# Altium PCB MB1605.PcbDoc (part 3 of 11)
Units mm, origin at the board's own origin, x right, y up, seen from the top; angles counter-clockwise.
Board outline 100 x 79.6 mm, 6 copper layers (Top Layer, Signal Layer 1, Signal Layer 2, Signal Layer 3, Signal Layer 4, Bottom Layer), stack 1.549 mm thick; 644 components, 529 nets, 2853 pads, 1462 vias.
Unrouted connection lines stored in the file: 2.
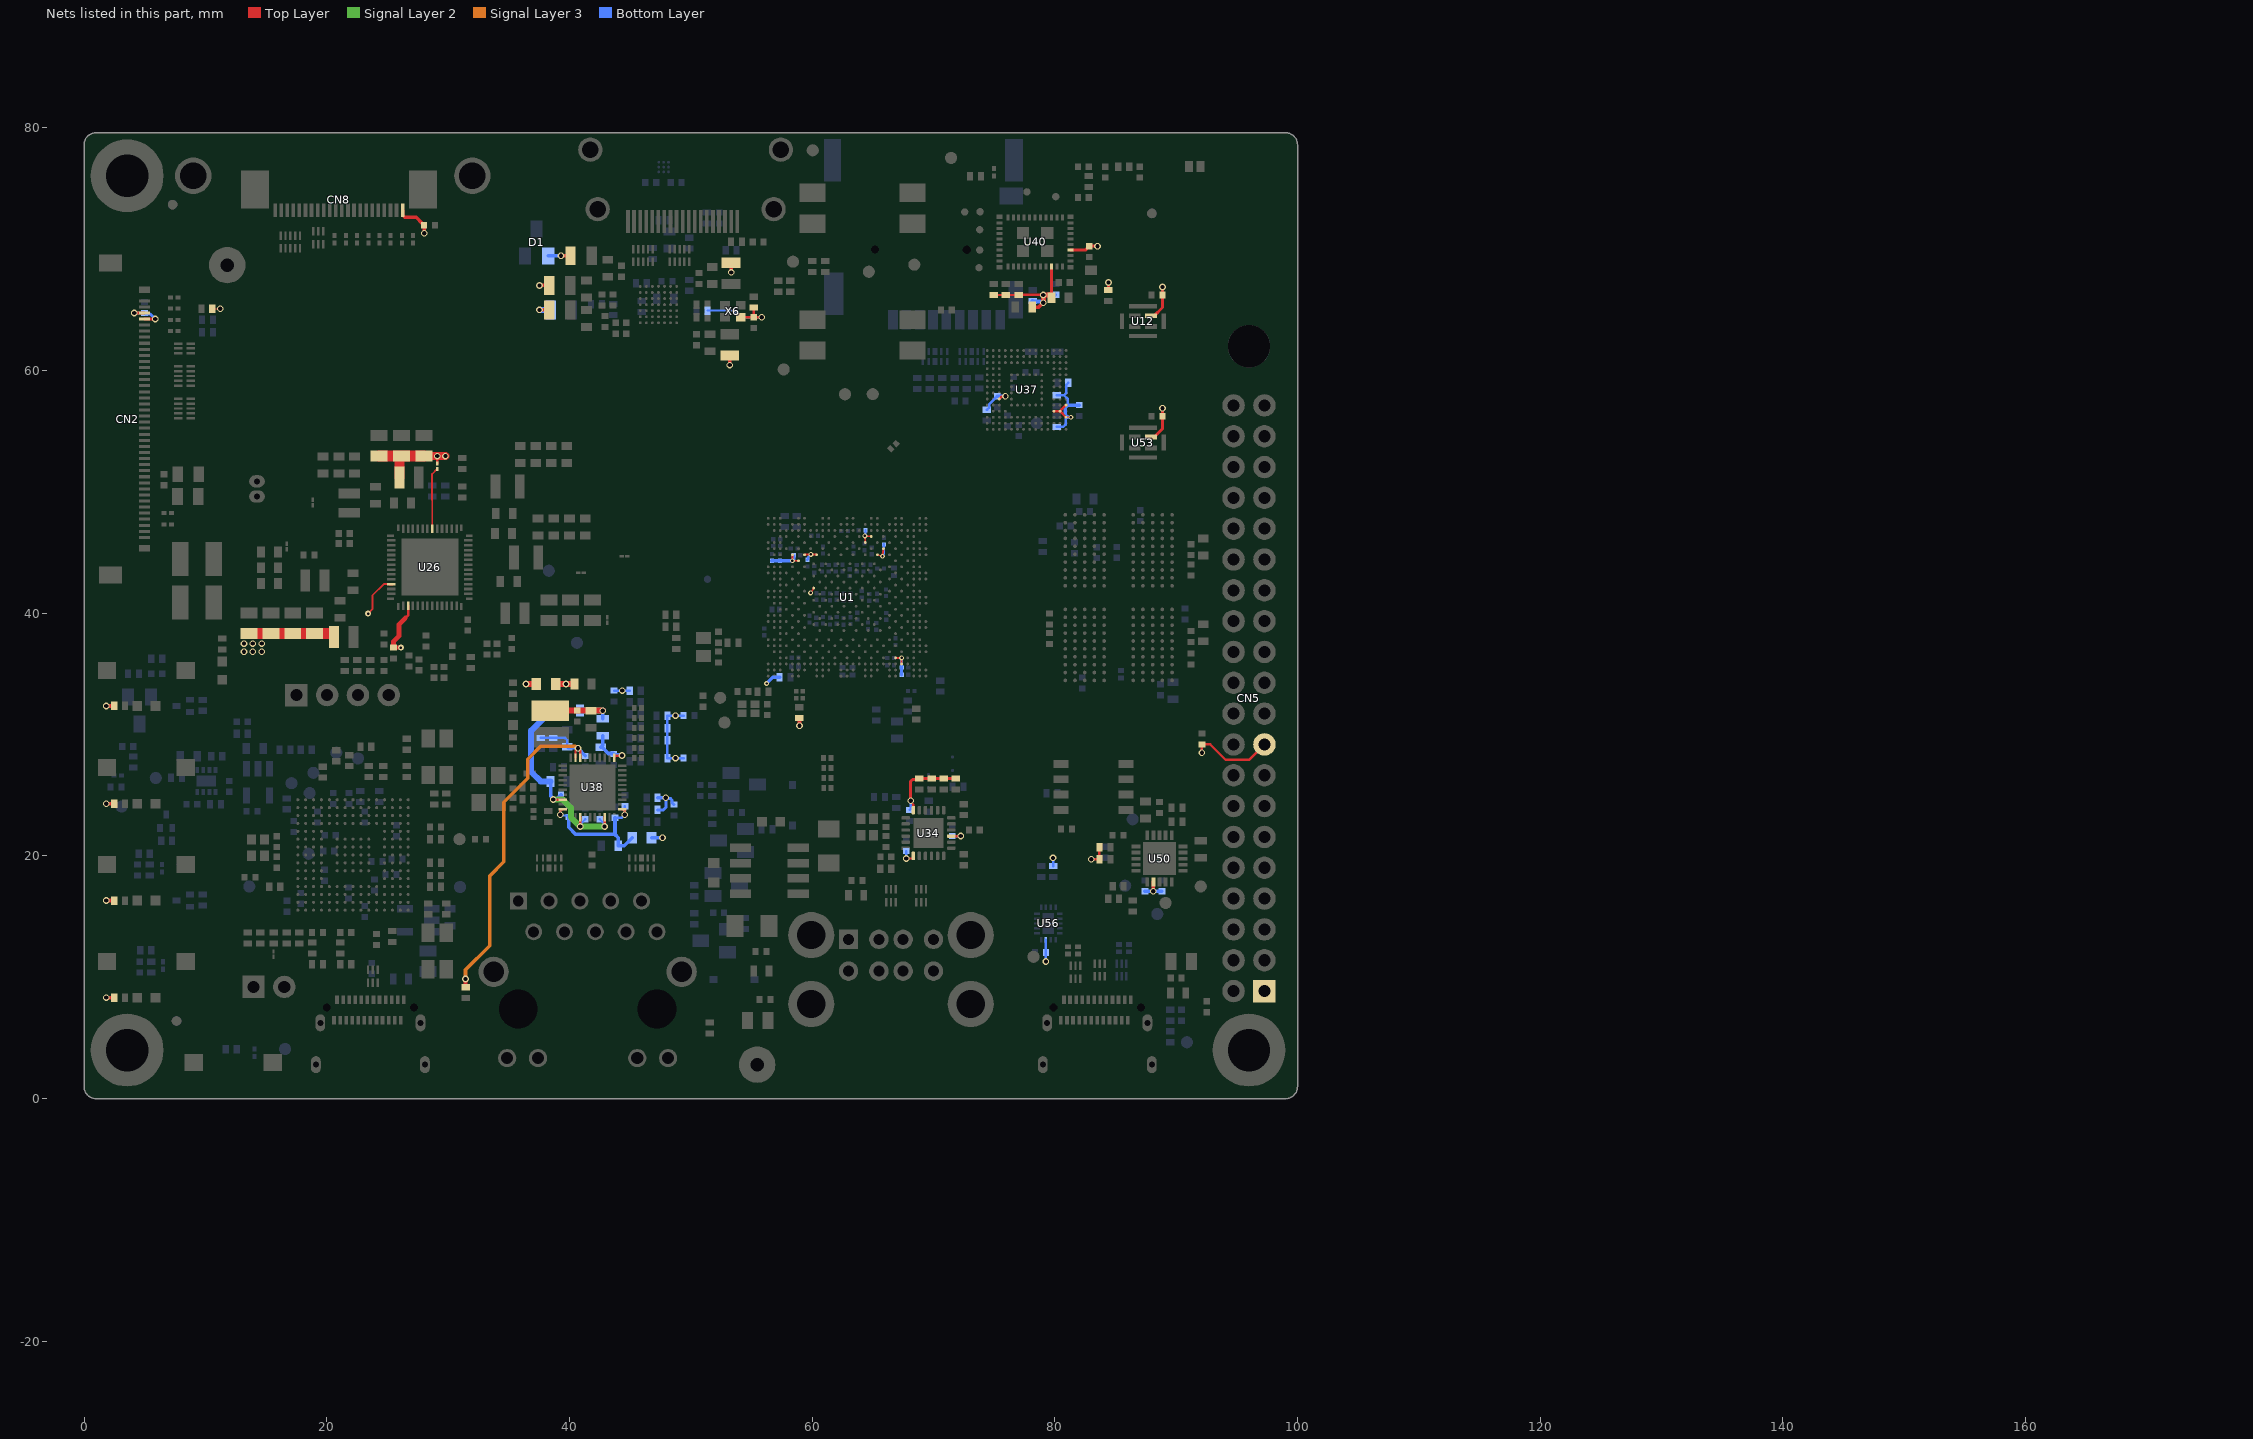
[diagram p7: the nets of this part, all layers, seen from the top]

## Footprints (in the part's own frame and the unit in brackets; to place one, negate y for a bottom-side part, rotate by r counter-clockwise, add the part's x,y. Pads: shape width x height; smd on the part's side, far side on the other; paste and mask are expansions set on the pad) (continued)
MOD_WLAN-BT_MURATA_LBEE5KL1YN-814 [mm]
  rect 0.25x0.5 smd mask+0.05: 1(-2.25,-2.025) 2(-1.8,-2.025) 3(-1.35,-2.025) 4(-0.9,-2.025) 5(-0.45,-2.025) 6(0,-2.025) 7(0.45,-2.025) 8(0.9,-2.025) 9(1.35,-2.025) 10(1.8,-2.025) 11(2.25,-2.025) 22(2.25,2.025) 23(1.8,2.025) 24(1.35,2.025) 25(0.9,2.025) 26(0.45,2.025) 27(0,2.025) 28(-0.45,2.025) 29(-0.9,2.025) 30(-1.35,2.025) 31(-1.8,2.025) 32(-2.25,2.025)
  rect 0.5x0.375 smd mask+0.05: 12(2.925,-2.087) 21(2.925,2.087) 33(-2.925,2.087) 42(-2.925,-2.087)
  rect 0.5x0.25 smd mask+0.05: 13(2.925,-1.575) 14(2.925,-1.125) 15(2.925,-0.675) 16(2.925,-0.225) 17(2.925,0.225) 18(2.925,0.675) 19(2.925,1.125) 20(2.925,1.575) 34(-2.925,1.575) 35(-2.925,1.125) 36(-2.925,0.675) 37(-2.925,0.225) 38(-2.925,-0.225) 39(-2.925,-0.675) 40(-2.925,-1.125) 41(-2.925,-1.575)
  rect 1x1 smd mask+0.05: 43(-1,-0.75) 44(1,-0.75) 45(-1,0.75) 46(1,0.75)
  silkscreen extent -3.57,-2.68 3.57,2.68, body extent -3.57,-2.68 3.57,2.68, height 1.11
MOS_SC89-3L [mm] "MCD-02221"
  rect 0.46x0.65 smd mask+0.05: 1(-0.5,-0.55) 2(0.5,-0.55) 3(0,0.55)
  silkscreen extent -0.85,-0.48 0.85,0.48, body extent -0.85,-0.85 0.85,0.85, height 0.85
MOS_SOT23 [mm]
  rect 1x1.4 smd mask+0.05: 1(-0.95,-1.1) 2(0.95,-1.1) 3(0,1.1)
  silkscreen extent -1.63,-0.82 1.63,0.82, body extent -1.56,-1.25 1.56,1.25, height 1.1
MOS_SOT23-5L [mm]
  rect 0.6x1.3 smd mask+0.05: 1(-0.95,-1.1) 2(0,-1.1) 3(0.95,-1.1) 4(0.95,1.1) 5(-0.95,1.1)
  silkscreen extent -1.6,-0.95 1.6,0.97, body extent -1.52,-1.25 1.52,1.25, height 1.45
PowerFLAT_5x6 [mm] "MCD-02152"
  rect 0.65x1.25 smd mask+0.05: 1(1.905,2.675) 2(0.635,2.675) 3(-0.635,2.675) 4(-1.905,2.675) 5(-1.905,-2.675) 6(-0.635,-2.675) 7(0.635,-2.675) 8(1.905,-2.675)
  Top Layer region: 0.2,-3.3 0.95,-3.3 0.95,-2.75 1.575,-2.75 1.575,-3.3 2.3,-3.3 2.3,-2.3 2.7,-2.3 2.7,-1.5 2.3,-1.5 2.3,0.15 2.7,0.15 2.7,0.975 2.3,0.975 2.3,1.15 0.2,1.15
  Top Layer region: -0.2,-3.3 -0.95,-3.3 -0.95,-2.75 -1.575,-2.75 -1.575,-3.3 -2.3,-3.3 -2.3,-2.3 -2.7,-2.3 -2.7,-1.5 -2.3,-1.5 -2.3,0.15 -2.7,0.15 -2.7,0.975 -2.3,0.975 -2.3,1.15 -0.2,1.15
  silkscreen extent -2.5,-3 2.5,3, body extent -2.6,-3.08 2.6,3.07, height 1
R0201_H0P23 [mm] "MCD-00702"
  rect 0.4x0.5 smd mask+0.05: 1(-0.3,0) 2(0.3,0)
  body extent -0.32,-0.17 0.32,0.17, height 0.26
R0402 [mm]
  rect 0.51x0.7 smd mask+0.05: 1(-0.45,0) 2(0.45,0)
  body extent -0.52,-0.3 0.52,0.3, height 0.4
R0603 [mm]
  rect 0.64x1 smd mask+0.05: 1(-0.7,0) 2(0.7,0)
  silkscreen extent -1.05,-0.58 1.05,0.58, body extent -0.9,-0.5 0.9,0.5, height 0.56
R0805 [mm]
  rect 0.85x1.3 smd mask+0.05: 1(-0.875,0) 2(0.875,0)
  silkscreen extent -0.33,-0.67 0.33,0.67, body extent -1.05,-0.68 1.05,0.68, height 0.65
Sheetbox_6L2S [mil] "Sheetbox 6 layers / 2 silkscreens"
  round 20 on Mech16: 1(813.5,208.05) 1(2736.63,208.05)
SOLDER-BRIDGE_R0603-0R [mil]
  round 10 smd paste-393.7: 1(-19.68,0) 2(23.62,0)
  Top Layer region: -47.24,-19.69 -47.24,19.68 -15.75,19.68 3.94,0 -15.75,-19.69 -47.24,-19.69
  Top Layer region: -5.91,19.68 13.78,0 -5.91,-19.69 47.24,-19.69 47.24,19.68 -5.91,19.68
  silkscreen extent -50,-23 50,23, body extent -36,-20 36,20, height 22
SWI_C&K_SDA02H1SBD_2POS [mm]
  rect 1.5x2.15 smd mask+0.05: 1(-1.27,-4.125) 2(1.27,-4.125) 3(1.27,4.125) 4(-1.27,4.125)
  silkscreen extent -3.55,-3.75 3.55,3.75, body extent -3.53,-4.65 3.53,4.65, height 5.45
SWI_WE_4341x10258x6 [mm]
  rect 1.5x1.4 smd: 1(-3.25,0) 2(3.25,0)
  silkscreen extent -3,-1.95 3,1.95, body extent -3.65,-1.95 3.65,1.95, height 2.5
SWI_WE_434121025816 [mm] "MCD-03492"
  rect 1.5x1.4 smd: 1(-3.25,0) 2(3.25,0)
  silkscreen extent -3,-1.95 3,1.95, body extent -3.65,-1.95 3.65,1.95, height 2.51
TP_PTH-1P02MM_TEST-TERMINAL_RS_101-2391_BLACK [mm] "MCD-00713"
  round 3 hole 1.1 mask+0.05: 1(0,0)
  silkscreen extent -1.62,-1.63 1.62,1.63, body extent -1.24,-1.25 1.25,1.25, height 4.85
TP_SMD_0-6MM [mm]
  round 0.6 smd paste-10 mask+0.05: 1(0,0)
  silkscreen extent -0.5,-0.5 0.5,0.5
TP_SMD_1MM [mm]
  round 1 smd paste-10 mask+0.05: 1(0,0)
  silkscreen extent -0.7,-0.7 0.7,0.7

## Part data
B1 B2 B3: library part MCD-03492, "Switch tactile, SPST-NO, 50mA, 12V, 6x3.8mm", Manufacturer="WURTH ELEKTRONIC", Manufacturer_Part_Number=434121025816, Package=6x3.8mm, Component_Country_Of_Origin=China?ISIMPORTED=TRUE, ComponentLink1URL=http://tunmcdsvn.tun.st.com/Component_Documentation_Library/Trunk/Misc/WURTH_ELECTRONIK_434121025816, ID=5608, Internal_Part_Number=MCD-03492, Order_Code_Digikey=732-7045-2-ND, Order_Code_Farnell=1867991, Order_Code_RS=N/A, Part_Preference=Recommended, Part_Type=Misc, ShowFields=YES, Status=Checked
B4 B5: library part MCD-03491, "Switch tactile, SPST-NO, 50mA, 12V, 6x3.8mm", Manufacturer="WURTH ELEKTRONIC", Manufacturer_Part_Number=434111025826, Package=6x3.8mm, Component_Country_Of_Origin=China?ISIMPORTED=TRUE, ComponentLink1URL=http://tunmcdsvn.tun.st.com/Component_Documentation_Library/Trunk/Misc/WURTH_ELECTRONIK_434111025826, ID=5607, Internal_Part_Number=MCD-03491, Order_Code_Digikey=732-7039-2-ND, Order_Code_Farnell=1867992, Order_Code_RS=N/A, Part_Preference=Recommended, Part_Type=Misc, ShowFields=YES, Status=Checked
C1 C90 C92 C119: library part MCD-00674, "Capacitor, MLCC, 6.8pF, 50V, NPO, +-0.25pF, 0402, T=0.5mm", Alternate_Manufacturer=N/A, Manufacturer=YAGEO, Manufacturer_Part_Number=CC0402CRNPO9BN6R8, Package=0402, Alternate_Manufacturer_Part_Number=N/A, Component_Country_Of_Origin=China, ComponentLink1Description=Datasheet, ComponentLink1URL=http://tunmcdsvn.tun.st.com/Component_Documentation_Library/Trunk/Capacitor/YAGEO_NP0_Series, ID=3068, Internal_Part_Number=MCD-00674, Order_Code_Digikey=311-3327-1-ND, Order_Code_Farnell=N/A, Order_Code_RS=N/A, Part_Preference=Recommended, Part_Type=Capacitor, Provided_By=SUBCO, ShowFields=YES, Status=Released
  C90 C92: ECCN_EU=n/a, ECCN_US=n/a, Initial_Board_Reference=MB1319
C2 C3 C10 C11: library part MCD-01341, "Capacitor, MLCC, 10uF, 6V3, X5R, 20%, 0603, T=0,8mm", Alternate_Manufacturer=MURATA, Alternate_Manufacturer_Part_Number=GRM188R60J106ME84D, Manufacturer_Part_Number=GRM188R60J106ME47D, Package=0603, Component_Country_Of_Origin=Japan, ComponentLink1Description=Datasheet, ComponentLink1URL=http://tunmcdsvn.tun.st.com/Component_Documentation_Library/Trunk/Capacitor/MURATA_GRM_Series, ECCN_EU=NEC, ECCN_US=EAR99, ID=3441, Internal_Part_Number=MCD-01341, Manufacturer=MURATA, Order_Code_Digikey=490-3896-1-ND, Order_Code_Farnell=1735528, Order_Code_RS=N/A, Part_Preference=Recommended, Part_Type=Capacitor, Provided_By=SUBCO, ShowFields=YES, Status=Released
C4 C5 C6 C7 C8 C12 C13 C14 C15 C16 C17 C18 C19 C20 C21 C31 C101 C102 C105 C106 C107 C108 C113 C122 C125 C139 C146 C149 C155 C177 C180 C181 C182 C227 C232 C233 C281 C282 C289 C290 C297 C298 C299 C303 C310 C311 C324 C325 C326 C327 C328 C329 C333 C334: library part MCD-00006, "Capacitor, MLCC, 100nF, 16V, X7R, +/-10%, 0402, T=0.5mm", Manufacturer=YAGEO, Manufacturer_Part_Number=CC0402KRX7R7BB104, Package=0402, Alternate_EMS=M, Component_Country_Of_Origin=China, ComponentLink1URL=http://tunmcdsvn.tun.st.com/Component_Documentation_Library/Trunk/Capacitor/YAGEO_X7R_Series, ID=2474, Internal_Part_Number=MCD-00006, Order_Code_Digikey=311-1338-1-ND, Order_Code_Farnell=9402047, Order_Code_RS=616-9701, Part_Preference=Recommended, Part_Type=Capacitor, Partial_Alternate_Internal_Part_Number=MCD-03299, ShowFields=YES, Status=Released
C9 C89 C114 C115 C116 C118 C126 C127 C130 C161 C162: library part MCD-00006, "Capacitor, MLCC, 100nF, 16V, X7R, +/-10%, 0402, T=0.5mm", Alternate_Manufacturer=MURATA, Alternate_Manufacturer_Part_Number=GCM155R71C104KA55D, Manufacturer=YAGEO, Manufacturer_Part_Number=CC0402KRX7R7BB104, Package=0402, Alternate_EMS=M, Component_Country_Of_Origin=China, ComponentLink1URL=http://tunmcdsvn.tun.st.com/Component_Documentation_Library/Trunk/Capacitor/YAGEO_X7R_Series, ID=2474, Internal_Part_Number=MCD-00006, Order_Code_Digikey=311-1338-1-ND, Order_Code_Farnell=9402047, Order_Code_RS=616-9701, Part_Preference=Recommended, Part_Type=Capacitor, Partial_Alternate_Internal_Part_Number=MCD-03299, ShowFields=YES, Status=Released
  C9 C89 C118 C130 C161 C162: ComponentLink1Description=Datasheet
C22 C23 C24 C26 C27 C28 C34 C35 C36 C37 C41 C183 C200 C202: library part MCD-00100, "Capacitor, MLCC, 22uF, 6V3, X5R, +/-20%, 0603, T=0,8mm", Alternate_Manufacturer=N/A, Manufacturer=MURATA, Manufacturer_Part_Number=GRM188R60J226MEA0J, Package=0603, Alternate_Manufacturer_Part_Number=N/A, Component_Country_Of_Origin=Japan, ComponentLink1Description=Part_Information, ComponentLink1URL=http://tunmcdsvn.tun.st.com/Component_Documentation_Library/Trunk/Capacitor/MURATA_GRM_Series, ID=2766, Internal_Part_Number=MCD-00100, Order_Code_Digikey=490-7612-2-ND, Order_Code_Farnell=N/A, Order_Code_RS=N/A, Part_Preference=Recommended, Part_Type=Capacitor, ShowFields=YES, Status=Released
C25 C157 C158 C173 C219: library part MCD-02198, "Capacitor, MLCC, 10nF, 50V, X7R, +/-10%, 0402, T=0.5mm", Manufacturer=YAGEO, Manufacturer_Part_Number=CC0402KRX7R9BB103, Package=0402, Component_Country_Of_Origin=China, ComponentLink1URL=http://tunmcdsvn.tun.st.com/Component_Documentation_Library/Trunk/Capacitor/YAGEO_X7R_Series, ID=4298, Internal_Part_Number=MCD-02198, Order_Code_Digikey=N/A, Order_Code_Farnell=N/A, Order_Code_RS=6169644, Part_Preference=Recommended, Part_Type=Capacitor, ShowFields=YES, Status=Checked
C29 C30 C32 C38 C56 C184 C199: library part MCD-00099, "Capacitor, MLCC, 10uF, 10V, X5R, +/-10%, 0603, T=0,8mm", Alternate_Manufacturer=N/A, Manufacturer=MURATA, Manufacturer_Part_Number=GRM188R61A106KE69D, Package=0603, Alternate_Manufacturer_Part_Number=N/A, Component_Country_Of_Origin=Japan, ComponentLink1Description=Part_Information, ComponentLink1URL=http://tunmcdsvn.tun.st.com/Component_Documentation_Library/Trunk/Capacitor/MURATA_GRM_Series, ID=2770, Internal_Part_Number=MCD-00099, Order_Code_Digikey=490-10474-1-ND, Order_Code_Farnell=2494233, Order_Code_RS=170-6168, Part_Preference=Recommended, Part_Type=Capacitor, ShowFields=YES, Status=Released
C33: library part MCD-00011, "Capacitor, MLCC, 10nF, 16V, X7R, 10%, 0402, T=0.5mm", Manufacturer=YAGEO, Manufacturer_Part_Number=CC0402KRX7R7BB103, Package=C0402, ComponentLink1Description=Datasheet, ComponentLink1URL=http://tunmcdsvn.tun.st.com/Component_Datasheet_Library/Trunk/Capacitors/Yageo_Multilayer_Capacitor_X7R_series_100pF_to_22uF, ECCN_EU=n/a, ECCN_US=n/a, Initial_Board_Reference=MB1274, Internal_Part_Number=MCD-00011, Part_Type=Capacitor, Provided_By=SUBCO, Status=Released
C39 C43 C188 C213 C216: library part MCD-00095, "Capacitor, MLCC, 1uF, 25V, X5R, +/-10%, 0402, T=0.5mm", Manufacturer=MURATA, Manufacturer_Part_Number=GRM155R61E105KA12, Package=0402, Component_Country_Of_Origin=Japan, ComponentLink1URL=http://tunmcdsvn.tun.st.com/Component_Documentation_Library/Trunk/Capacitor/MURATA_GRM_Series, ID=2772, Internal_Part_Number=MCD-00095, Order_Code_Digikey=490-10017-1-ND, Order_Code_Farnell=2218855, Order_Code_RS=846-7287, Part_Preference=Recommended, Part_Type=Capacitor, ShowFields=YES, Status=Released
C40: library part MCD-03140, "Capacitor, MLCC, 10uF, 6.3V, X5R, +/-20%, 0402, T=0.5mm", Manufacturer=MURATA, Manufacturer_Part_Number=GRM155R60J106ME05D, Package=0402, Component_Country_Of_Origin="China, Japan", ComponentLink1URL=http://tunmcdsvn.tun.st.com/Component_Documentation_Library/Trunk/Capacitor/MURATA_GRM_Series, ID=5256, Internal_Part_Number=MCD-03140, Order_Code_Digikey=490-GRM155R60J106ME05DTR-ND, Order_Code_Farnell=3784428, Order_Code_RS=N/A, Part_Preference=Recommended, Part_Type=Capacitor, ShowFields=YES, Status=Checked
C42 C147: library part MCD-01796, "Capacitor, Tantalum, 100uF, 6V3, 40mR, +/-20%,  Type_B (3528 metric), T=1.9mm", Manufacturer=AVX, Manufacturer_Part_Number=TCJB107M006R0040, Package="3528 (metric)", Component_Country_Of_Origin=Lanskroun, ComponentLink1URL=http://tunmcdsvn.tun.st.com/Component_Documentation_Library/Trunk/Capacitor/AVX_TCJ_Series, ID=3896, Internal_Part_Number=MCD-01796, Order_Code_Digikey=478-9994-2-ND, Order_Code_Farnell=2728622, Order_Code_RS=N/A, Part_Preference=Recommended, Part_Type=Capacitor, Revision="July-2002: Re-released for DXP Platform.", ShowFields=YES, Status=Released
C44 C45 C46 C47 C48 C49 C50 C51 C52 C53 C54 C55 C57 C58 C59 C60 C62 C63 C64 C65 C66 C67 C68 C69 C70 C71 C72 C73 C74 C75 C76 C77 C82 C83: library part MCD-02377, "Capacitor, MLCC, 1uF, 6.3V, X5R, +/-20%, 0201, T=0,3mm", Manufacturer=MURATA, Manufacturer_Part_Number=GRM033R60J105MEA2, Package=0201, Component_Country_Of_Origin=Japan, ComponentLink1URL=http://tunmcdsvn.tun.st.com/Component_Documentation_Library/Trunk/Capacitor/MURATA_GRM_Series/GRM033R60J105MEA2/, ID=4483, Internal_Part_Number=MCD-02377, Order_Code_Digikey=490-7229-2-ND, Order_Code_Farnell=2470448, Order_Code_RS=820-0643, Part_Preference=Recommended, Part_Type=Capacitor, ShowFields=YES, Status=Checked
C61 C91 C179 C189 C190 C208 C209 C214 C215 C217 C335: library part MCD-01356, "Capacitor, MLCC, 4.7uF, 6V3, X5R, +/-20%, 0402, T=0.5mm", Manufacturer=MURATA, Manufacturer_Part_Number=GRM155R60J475ME47, Package=0402, Component_Country_Of_Origin=Japan, ComponentLink1URL=http://tunmcdsvn.tun.st.com/Component_Documentation_Library/Trunk/Capacitor/MURATA_GRM_Series, ID=3456, Internal_Part_Number=MCD-01356, Order_Code_Digikey=490-5915-1-ND, Order_Code_Farnell=2666407, Order_Code_RS=814-5230, Part_Preference=Recommended, Part_Type=Capacitor, ShowFields=YES, Status=Released
C78 C79 C80 C96 C97 C98: library part MCD-00100, "Capacitor, MLCC, 22uF, 6V3, X5R, +/-20%, 0603, T=0.8mm", Manufacturer=MURATA, Manufacturer_Part_Number=GRM188R60J226MEA0J, Package=0603, Component_Country_Of_Origin=Japan, ComponentLink1URL=http://tunmcdsvn.tun.st.com/Component_Documentation_Library/Trunk/Capacitor/MURATA_GRM_Series, ID=2766, Internal_Part_Number=MCD-00100, Order_Code_Digikey=490-7612-2-ND, Order_Code_Farnell=N/A, Order_Code_RS=N/A, Part_Preference=Recommended, Part_Type=Capacitor, ShowFields=YES, Status=Released
C81 C86: library part MCD-01775, "Capacitor, MLCC, 3.3pF, 50V, NPO, +/-0.1pF, 0402, T=0.5mm", Manufacturer=YAGEO, Manufacturer_Part_Number=CC0402BRNPO9BN3R3, Package=0402, Component_Country_Of_Origin=China, ComponentLink1URL=http://tunmcdsvn.tun.st.com/Component_Documentation_Library/Trunk/Capacitor/YAGEO_NP0_Series, ID=3875, Internal_Part_Number=MCD-01775, Order_Code_Digikey=311-1621-1-ND, Order_Code_Farnell=N/A, Order_Code_RS=N/A, Part_Preference=Recommended, Part_Type=Capacitor, ShowFields=YES, Status=Released
C84 C93: library part MCD-02352, "Capacitor, MLCC, 100nF, 10V, X5R, +/-10%, 0402, T=0,5mm", Manufacturer=YAGEO, Manufacturer_Part_Number=CC0402KRX5R6BB104, Package=0402, Component_Country_Of_Origin=China, ComponentLink1URL=http://tunmcdsvn.tun.st.com/Component_Documentation_Library/Trunk/Capacitor/YAGEO_X5R_Series, ID=4458, Internal_Part_Number=MCD-02352, Order_Code_Digikey=311-1336-2-ND, Order_Code_Farnell=2370637, Order_Code_RS=N/A, Part_Preference=Recommended, Part_Type=Capacitor, ShowFields=YES, Status=Checked
C85 C143: library part MCD-00204, "Capacitor, MLCC, 47uF, 10V, X5R, +/-20%, 0805, T=1.25mm", Manufacturer=MURATA, Manufacturer_Part_Number=GRM21BR61A476ME15K, Package=0805, Component_Country_Of_Origin=Japan, ComponentLink1URL=http://tunmcdsvn.tun.st.com/Component_Documentation_Library/Trunk/Capacitor/MURATA_GRM_Series, ID=2664, Internal_Part_Number=MCD-00204, Order_Code_Digikey=GRM21BR61A476ME15K-ND, Order_Code_Farnell=N/A, Order_Code_RS=N/A, Part_Preference=Recommended, Part_Type=Capacitor, ShowFields=YES, Status=Checked
C87 C103 C104 C109 C123 C137 C141 C152 C228 C229 C295 C296 C306 C309 C314 C317 C322 C323: library part MCD-00006, "Capacitor,100nF,16V,X7R,10%,0402", Alternate_Manufacturer=MURATA, Alternate_Manufacturer_Part_Number=GCM155R71C104KA55D, Manufacturer=YAGEO, Manufacturer_Part_Number=CC0402KRX7R7BB104, Package=0402, Alternate_EMS=M, Component_Country_Of_Origin=China, ComponentLink1Description=Datasheet, ComponentLink1URL=http://tunmcdsvn.tun.st.com/Component_Documentation_Library/Trunk/Capacitor/YAGEO_X7R_Series, ID=2474, Internal_Part_Number=MCD-00006, Order_Code_Digikey=311-1338-1-ND, Order_Code_Farnell=9402047, Order_Code_RS=616-9701, Part_Preference=Recommended, Part_Type=Capacitor, Partial_Alternate_Internal_Part_Number=MCD-03299, Provided_By=SUBCO, ShowFields=YES, Status=Released
  C87: ECCN_EU=n/a, ECCN_US=n/a, Initial_Board_Reference=MB1274
  C103 C104 C109 C123 C141 C152 C228 C229 C295 C296 C306 C309 C314 C317 C322 C323: ECCN_EU=n/a, ECCN_US=n/a, Initial_Board_Reference=mb1274
  C137: ECCN_EU=NEC, ECCN_US=EAR99, Initial_Board_Reference=MB1274
C88: library part MCD-01823, "Capacitor, MLCC, 2.2uF, 6V3, X5R,+/-10%, 0402, T=0.5mm", Alternate_Manufacturer=N/A, Manufacturer=MURATA, Manufacturer_Part_Number=GRM155R60J225KE95D, Package=0402, Alternate_Manufacturer_Part_Number=N/A, Component_Country_Of_Origin=Japan, ComponentLink1URL=http://tunmcdsvn.tun.st.com/Component_Documentation_Library/Trunk/Capacitor/MURATA_GRM_Series, ID=3923, Internal_Part_Number=MCD-01823, Order_Code_Digikey=490-12532-1-ND, Order_Code_Farnell=2695865, Order_Code_RS=172-6478, Part_Preference=Recommended, Part_Type=Capacitor, ShowFields=YES, Status=Released
C94: library part MCD-01995, "Capacitor, MLCC, 22pF, 50V, C0G, +/-5%, 0402, T=0.5mm", Manufacturer=TDK, Manufacturer_Part_Number=C1005NP01H220J050BA, Package=0402, Component_Country_Of_Origin=Unknown, ComponentLink1URL=http://tunmcdsvn.tun.st.com/Component_Documentation_Library/Trunk/Capacitor/TDK_C_Series, ID=4095, Internal_Part_Number=MCD-01995, Order_Code_Digikey=445-13793-1-ND, Order_Code_Farnell=3416050RL, Order_Code_RS=N/A, Part_Preference=Recommended, Part_Type=Capacitor, ShowFields=YES, Status=Released
C95 C163 C212: library part MCD-00198, "Capacitor, MLCC, 1nF, 16V, X7R, +/-10%, 0402, T=0.5mm", Manufacturer=YAGEO, Manufacturer_Part_Number=CC0402KRX7R7BB102, Package=0402, Component_Country_Of_Origin=China, ComponentLink1URL=http://tunmcdsvn.tun.st.com/Component_Documentation_Library/Trunk/Capacitor/YAGEO_X7R_Series, ID=2665, Internal_Part_Number=MCD-00198, Order_Code_Digikey=311-1352-1-ND, Order_Code_Farnell=2370642, Order_Code_RS=N/A, Part_Preference=Recommended, Part_Type=Capacitor, ShowFields=YES, Status=Released
C99: library part MCD-00011, "Capacitor, MLCC, 10nF, 16V, X7R, 10%, 0402, T=0.5mm", Alternate_Manufacturer=N/A, Manufacturer=YAGEO, Manufacturer_Part_Number=CC0402KRX7R7BB103, Package=0402, Alternate_Manufacturer_Part_Number=N/A, ComponentLink1Description=Datasheet, ComponentLink1URL=http://tunmcdsvn.tun.st.com/Component_Documentation_Library/Trunk/Capacitor/YAGEO_X7R_Series, ECCN_EU=n/a, ECCN_US=n/a, Initial_Board_Reference=MB1274, Internal_Part_Number=MCD-00011, Order_Code_Digikey=311-1042-1-ND, Order_Code_Farnell=3019275, Order_Code_RS=669-8688, Part_Preference=Recommended, Part_Type=Capacitor, Provided_By=SUBCO, Status=Released
C100 C265 C266 C267: library part MCD-00697, "Capacitor, MLCC, 100nF,10V, X5R, +/-10%, 0201, T=0.3mm", Alternate_Manufacturer=N/A, Manufacturer=TDK, Manufacturer_Part_Number=C0603X5R1A104K030BC, Package=0201, Alternate_Manufacturer_Part_Number=N/A, Component_Country_Of_Origin=Unknown, ComponentLink1URL=http://tunmcdsvn.tun.st.com/Component_Documentation_Library/Trunk/Capacitor/TDK_MCC_Series, ID=3046, Internal_Part_Number=MCD-00697, Order_Code_Digikey=445-7318-1-ND, Order_Code_Farnell=2524957, Order_Code_RS=N/A, Part_Preference=Recommended, Part_Type=Capacitor, ShowFields=YES, Status=Released
C110 C159: library part MCD-02372, "Capacitor, MLCC, 2.2uF, 25V, X7R, +/-10%, 0805, T=1,25mm", Manufacturer=MURATA, Manufacturer_Part_Number=GRM21BR71E225KE11L, Package=0805, Component_Country_Of_Origin=Japan, ComponentLink1URL=http://tunmcdsvn.tun.st.com/Component_Documentation_Library/Trunk/Capacitor/MURATA_GRM_Series/GRM21BR71E225KE11, ID=4478, Internal_Part_Number=MCD-02372, Order_Code_Digikey=490-14467, Order_Code_Farnell=2688538, Order_Code_RS=N/A, Part_Preference=Recommended, Part_Type=Capacitor, ShowFields=YES, Status=Released
C111 C120 C280 C288 C302 C332: library part MCD-00100, "Capacitor,22uF,6V3,X5R,20%,0603", Manufacturer=MURATA, Manufacturer_Part_Number=GRM188R60J226MEA0J, Package=0603, Component_Country_Of_Origin=Japan, ComponentLink1Description=Datasheet, ComponentLink1URL=http://tunmcdsvn.tun.st.com/Component_Documentation_Library/Trunk/Capacitor/MURATA_GRM_Series, ECCN_EU=NEC, ECCN_US=EAR99, ID=2766, Initial_Board_Reference=mb1262, Internal_Part_Number=MCD-00100, Order_Code_Digikey=490-7612-2-ND, Order_Code_Farnell=N/A, Order_Code_RS=N/A, Part_Preference=Recommended, Part_Type=Capacitor, Provided_By=SUBCO, ShowFields=YES, Status=Released